# Altium PCB 2.PcbDoc (part 2 of 2)
Units mm, origin at the board's own origin, x right, y up, seen from the top; angles counter-clockwise.
Board outline 160.63 x 75.01 mm, 2 copper layers (Top Layer, Bottom Layer); 160 components, 151 nets, 572 pads, 120 vias.
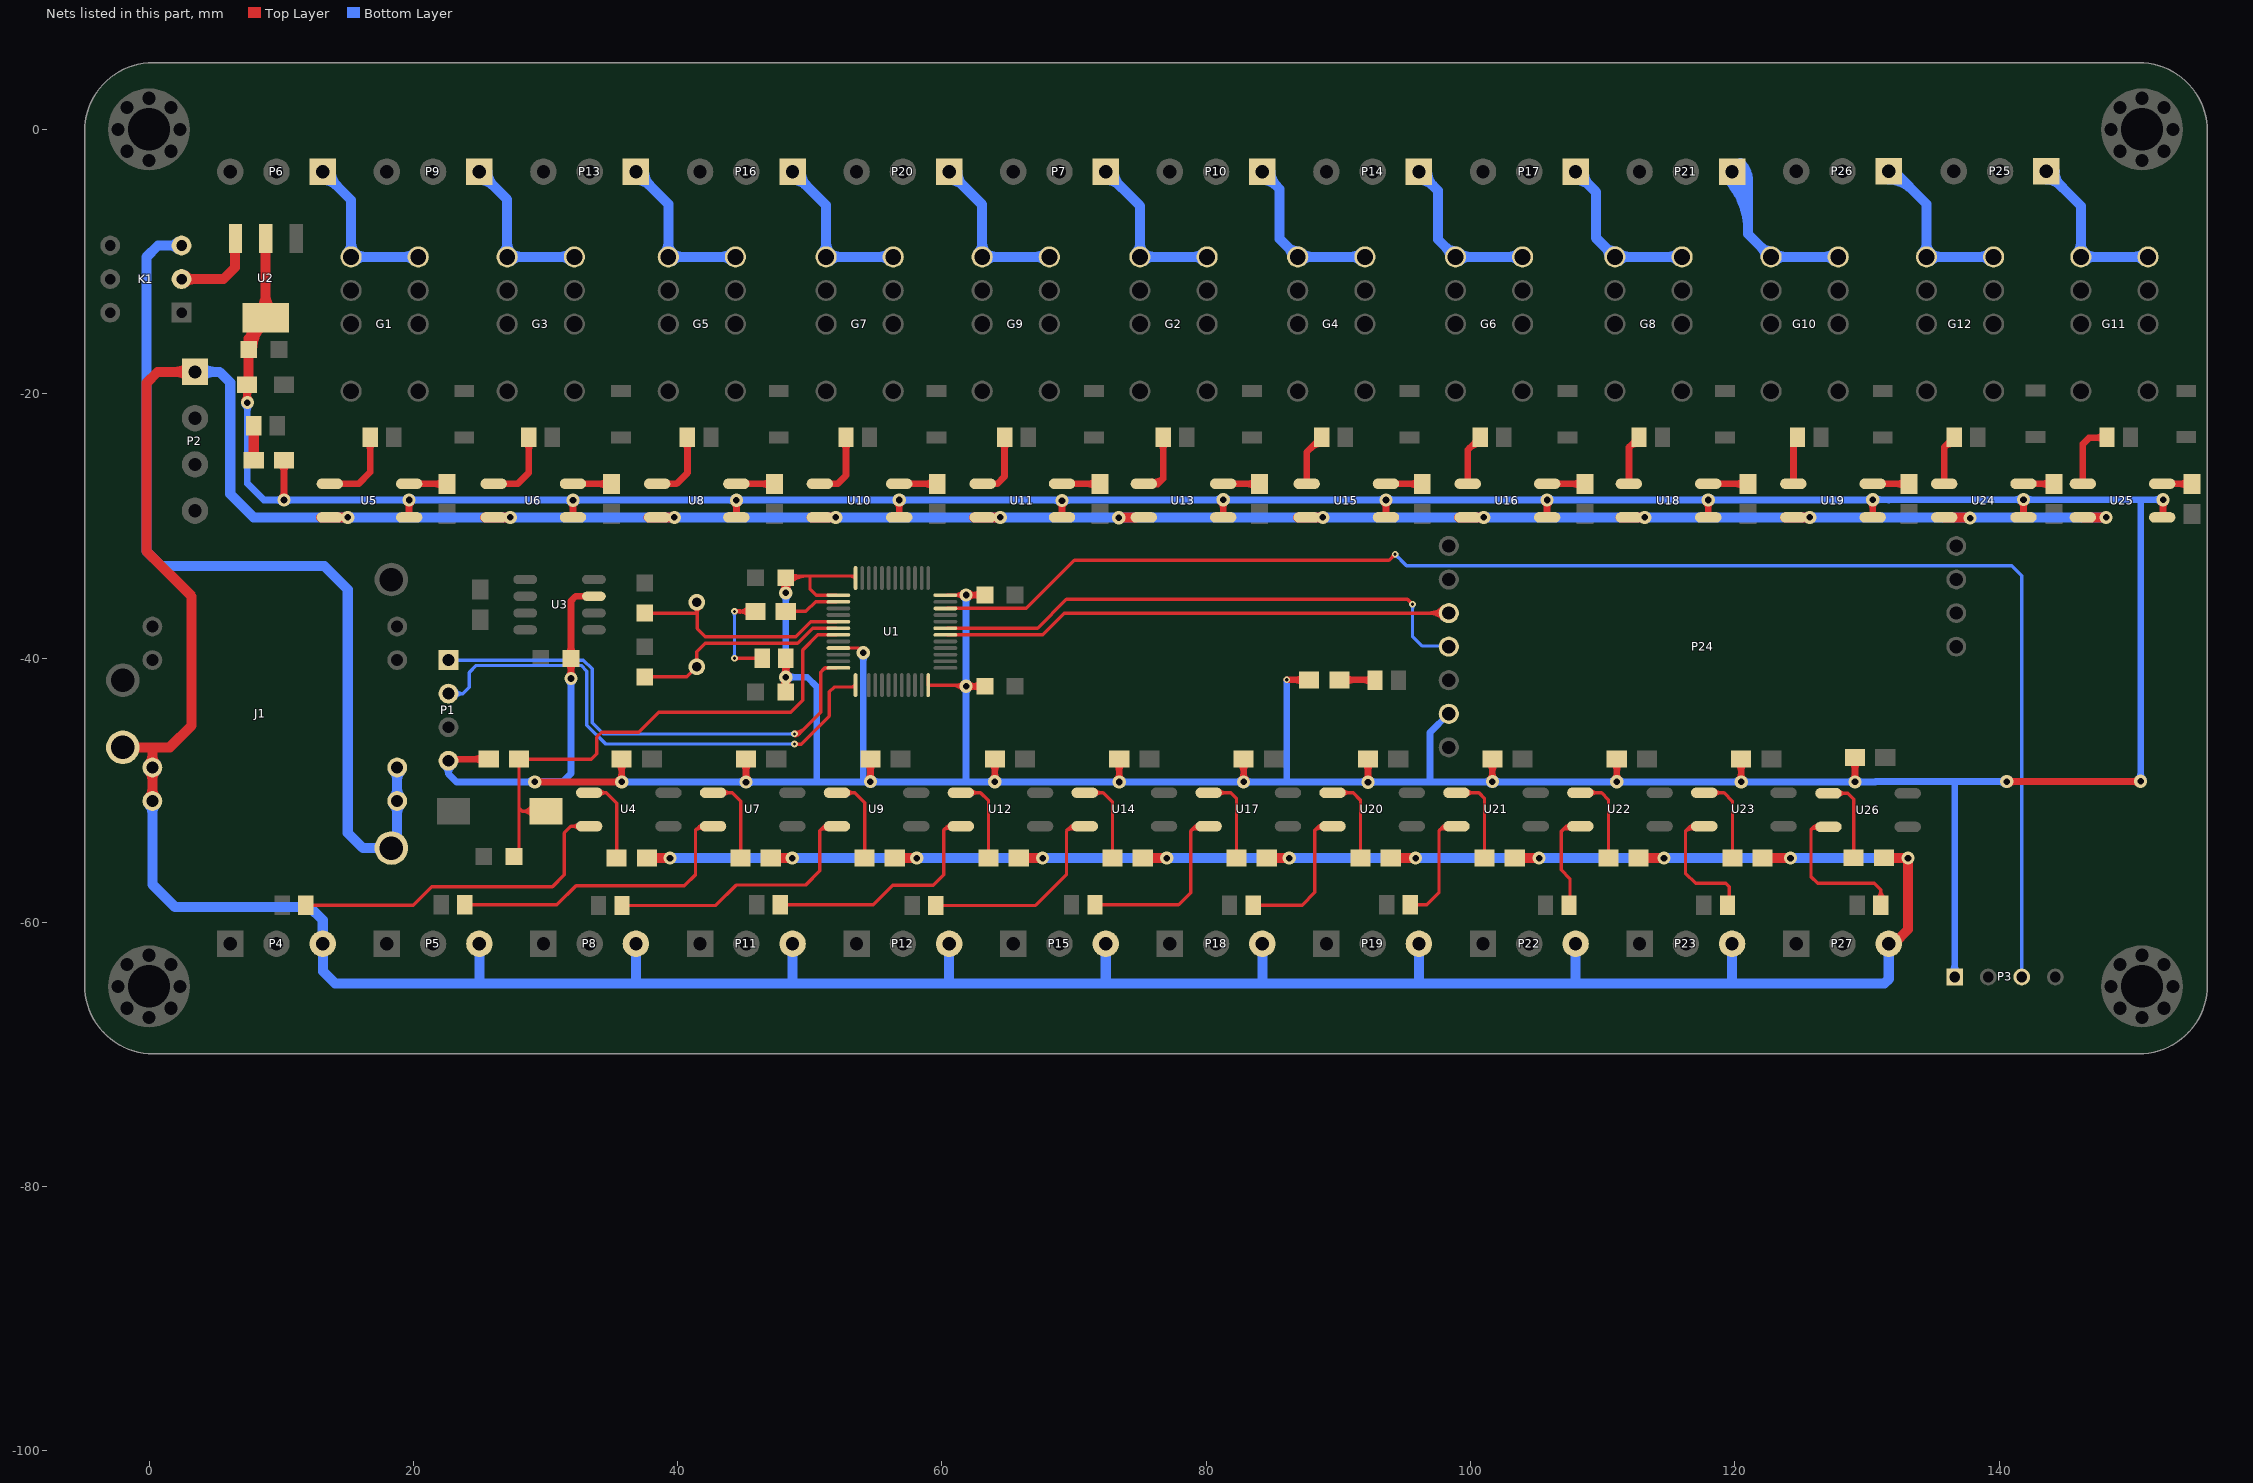
[diagram p2: the nets of this part, all layers, seen from the top]

## Via types
v1: diameter 1, hole 0.5, Top Layer to Bottom Layer, 93 vias
v2: diameter 0.5, hole 0.25, Top Layer to Bottom Layer, 26 vias
v3: diameter 1.27, hole 0.711, Top Layer to Bottom Layer, 1 vias

## Nets (pads, with @x,y where several pads share a name; then routed paths per layer and width w, separated by ;. In a path a pad name is that pad's centre, name@x,y a point inside that pad or via, vN(x,y) a via of type N, cw(c..) or ccw(c..) an arc to the next point about the centre after c; other vN are vias at no path point) (continued)
JTMS: P3.3 U1.34 | length 115
  Top Layer w0.254: U1.34@60.41,-36.248 66.389,-36.248 70.023,-32.614 93.828,-32.614 v2(94.285,-32.156) ; v2@94.162,-32.156 cw(c93.865,-32.156) 94.075,-32.366 cw(c94.285,-32.576) v2@94.285,-32.279
  Bottom Layer w0.254: v2@94.285,-32.279 cw(c94.285,-32.576) 94.495,-32.366 cw(c94.705,-32.156) v2@94.408,-32.156 ; v2(94.285,-32.156) 95.148,-33.02 133.224,-33.02 133.236,-33.032 140.957,-33.032 141.707,-33.782 P3.3@141.707,-64.135
LED1: R2.1 U1.2 | length 4.1
  Top Layer w0.254: R2.1@48.184,-36.474 49.708,-36.474 50.434,-35.748 U1.2@52.01,-35.748
NetC6_1: C6.1 U1.5 Y1.1 | length 18.1
  Top Layer w0.254: C6.1@37.516,-36.601 41.478,-36.601 ; Y1.1@41.249,-36.251 cw(c41.095,-36.602) 41.478,-36.602 ; Y1.1@41.453,-35.785 41.478,-35.811 41.478,-36.601 ; Y1.1@41.698,-36.23 ccw(c41.902,-36.602) 41.478,-36.602 ; U1.5@52.01,-37.248 50.077,-37.248 48.946,-38.379 42.088,-38.379 41.478,-37.77 41.478,-36.601
NetC9_1: C9.1 U1.6 Y1.2 | length 17.5
  Top Layer w0.254: C9.1@37.516,-41.427 40.691,-41.427 Y1.2@41.453,-40.665 41.453,-39.522 42.088,-38.887 49.073,-38.887 49.124,-38.837 49.135,-38.837 50.223,-37.748 52.01,-37.748 51.99,-37.768 51.211,-37.768
NetD1_A: D1.A R1.2 | length 2.6
  Top Layer w0.762: R1.2@7.925,-25.044 D1.A@7.924,-22.428
NetD2_K: D2.K R2.2 | length 11.4
  Top Layer w0.254: v2(44.298,-40.03) D2.K@45.898,-40.03 ; v2(44.298,-36.474) R2.2@45.898,-36.474 ; v2@44.359,-36.581 cw(c44.617,-37.027) 44.75,-36.529 ; v2@44.359,-36.368 ccw(c44.617,-35.922) 44.75,-36.419 ; v2@44.385,-40.117 cw(c44.595,-40.327) 44.595,-40.03 cw(c44.595,-39.733) v2@44.385,-39.943 ; v2@44.385,-36.561 cw(c44.595,-36.771) 44.595,-36.474 cw(c44.595,-36.177) v2@44.385,-36.387 ; R2.2@45.412,-36.834 ccw(c44.544,-37.701) 44.544,-36.474 ccw(c44.544,-35.248) R2.2@45.412,-36.115
  Bottom Layer w0.254: v2@44.211,-39.943 ccw(c44.001,-39.733) 44.298,-39.733 ccw(c44.595,-39.733) v2@44.385,-39.943 ; v2@44.211,-36.561 cw(c44.001,-36.771) 44.298,-36.771 cw(c44.595,-36.771) v2@44.385,-36.561 ; v2(44.298,-40.03) v2(44.298,-36.474)
NetD3_A: D3.A U4.2 | length 26.4
  Top Layer w0.254: D3.A@12.243,-58.699 19.99,-58.699 21.387,-57.302 30.531,-57.302 31.42,-56.413 31.42,-53.238 31.928,-52.73 U4.2@33.304,-52.73 ; U4.2@32.511,-52.923 ccw(c32.045,-53.389) 32.045,-52.73 ccw(c32.045,-52.071) U4.2@32.511,-52.537
NetD6_A: D6.A U7.2 | length 24.8
  Top Layer w0.254: D6.A@23.902,-58.674 30.861,-58.674 32.309,-57.226 40.513,-57.226 41.351,-56.388 41.351,-53.035 ; 41.58,-52.806 cw(c41.863,-53.088) U7.2@42.069,-52.747 ; U7.2@41.83,-52.843 ccw(c41.656,-52.922) 41.656,-52.73 ; U7.2@41.83,-52.618 cw(c41.656,-52.539) 41.656,-52.73 ; U7.2@41.938,-52.964 ccw(c41.69,-53.374) 41.351,-53.035 ; U7.2@42.679,-52.73 41.656,-52.73 ; 41.351,-53.035 41.656,-52.73
NetD7_A: D7.A U9.2 | length 21.6
  Top Layer w0.254: D7.A@35.79,-58.725 42.901,-58.725 44.45,-57.175 49.682,-57.175 50.749,-56.109 50.749,-53.061 ; 50.994,-52.816 cw(c51.266,-53.089) U9.2@51.445,-52.747 ; U9.2@51.327,-52.972 ccw(c51.098,-53.41) 50.749,-53.061 ; U9.2@52.054,-52.73 51.079,-52.73 50.749,-53.061
NetD10_A: D10.A U12.2 | length 19.6
  Top Layer w0.254: D10.A@47.753,-58.674 54.788,-58.674 56.261,-57.201 59.334,-57.201 60.147,-56.388 60.147,-53.01 ; 60.366,-52.791 cw(c60.619,-53.044) U12.2@60.818,-52.746 ; U12.2@60.575,-52.831 ccw(c60.427,-52.89) 60.427,-52.73 ; U12.2@60.575,-52.63 cw(c60.427,-52.571) 60.427,-52.73 ; U12.2@60.677,-52.957 ccw(c60.444,-53.307) 60.147,-53.01 ; U12.2@61.429,-52.73 60.427,-52.73 ; 60.147,-53.01 60.427,-52.73
NetD13_A: D13.A U14.2 | length 17.4
  Top Layer w0.254: D13.A@59.539,-58.725 67.081,-58.725 69.418,-56.388 69.418,-53.086 ; 69.669,-52.835 cw(c69.993,-53.159) U14.2@70.195,-52.747 ; U14.2@69.957,-52.847 ccw(c69.774,-52.932) 69.774,-52.73 ; U14.2@69.957,-52.614 cw(c69.774,-52.528) 69.774,-52.73 ; U14.2@70.083,-52.975 ccw(c69.828,-53.496) 69.418,-53.086 ; U14.2@70.804,-52.73 69.774,-52.73 ; 69.418,-53.086 69.774,-52.73
NetD14_A: D14.A U17.2 | length 15.4
  Top Layer w0.254: D14.A@71.578,-58.674 77.902,-58.674 78.816,-57.76 78.816,-53.086 ; 79.069,-52.833 cw(c79.38,-53.143) U17.2@79.57,-52.748 ; U17.2@79.326,-52.834 ccw(c79.172,-52.897) 79.172,-52.73 ; U17.2@79.326,-52.627 cw(c79.172,-52.564) 79.172,-52.73 ; U17.2@79.46,-52.976 ccw(c79.215,-53.485) 78.816,-53.086 ; U17.2@80.179,-52.73 79.172,-52.73 ; 78.816,-53.086 79.172,-52.73
NetD17_A: D17.A U20.2 | length 12.9
  Top Layer w0.254: D17.A@83.542,-58.699 87.249,-58.699 88.214,-57.734 88.214,-53.035 ; 88.443,-52.807 cw(c88.731,-53.095) U20.2@88.944,-52.747 ; U20.2@88.708,-52.849 ccw(c88.519,-52.94) 88.519,-52.73 ; U20.2@88.708,-52.612 cw(c88.519,-52.521) 88.519,-52.73 ; U20.2@88.812,-52.964 ccw(c88.558,-53.379) 88.214,-53.035 ; U20.2@89.554,-52.73 88.519,-52.73 ; 88.214,-53.035 88.519,-52.73
NetD20_A: D20.A U21.2 | length 9.8
  Top Layer w0.254: D20.A@95.429,-58.674 96.672,-58.674 97.612,-57.734 97.612,-53.061 ; 97.856,-52.817 cw(c98.135,-53.097) U21.2@98.32,-52.747 ; U21.2@98.201,-52.972 ccw(c97.967,-53.415) 97.612,-53.061 ; U21.2@98.928,-52.73 97.942,-52.73 97.612,-53.061
NetD21_A: D21.A U22.2 | length 9.6
  Top Layer w0.254: 107.117,-52.852 cw(c107.482,-53.217) U22.2@107.695,-52.748 ; U22.2@107.465,-52.863 ccw(c107.239,-52.989) 107.239,-52.73 ; U22.2@107.465,-52.598 cw(c107.239,-52.472) 107.239,-52.73 ; U22.2@107.59,-52.979 ccw(c107.32,-53.573) 106.858,-53.111 ; D21.A@107.848,-58.699 107.518,-58.369 107.518,-56.693 106.858,-56.032 106.858,-53.111 ; U22.2@108.303,-52.73 107.239,-52.73 ; 106.858,-53.111 107.239,-52.73
NetD22_A: D22.A U23.2 | length 11.8
  Top Layer w0.254: 116.517,-52.85 cw(c116.868,-53.201) U23.2@117.07,-52.748 ; U23.2@116.834,-52.852 ccw(c116.637,-52.951) 116.637,-52.73 ; U23.2@116.834,-52.608 cw(c116.637,-52.51) 116.637,-52.73 ; U23.2@116.967,-52.98 ccw(c116.707,-53.563) 116.256,-53.111 ; U23.2@117.678,-52.73 116.637,-52.73 ; D22.A@119.786,-58.699 119.558,-58.471 119.558,-57.302 119.304,-57.048 117.018,-57.048 116.256,-56.286 116.256,-53.111 ; 116.256,-53.111 116.637,-52.73
NetD23_A: D23.A R4.2 | length 5.4
  Top Layer w0.508: R4.2@90.068,-41.656 92.734,-41.656 D23.A@92.76,-41.681 ; R4.2@90.465,-41.925 cw(c91.115,-42.576) 91.115,-41.656 cw(c91.115,-40.736) R4.2@90.465,-41.387 ; 91.911,-41.656 cw(c91.911,-42.53) D23.A@92.529,-41.912 ; 92.034,-41.656 ccw(c92.034,-40.956) D23.A@92.529,-41.451
NetD24_A: D24.A U5.3 | length 7.8
  Top Layer w0.508: U5.3@13.03,-26.822 15.85,-26.822 16.738,-25.934 D24.A@16.738,-23.419 ; D24.A@16.507,-23.677 cw(c15.951,-24.234) 16.738,-24.234 cw(c17.525,-24.234) D24.A@16.968,-23.677
NetD25_A: D25.A U6.3 | length 7.6
  Top Layer w0.508: U6.3@25.43,-26.822 27.889,-26.822 28.738,-25.974 D25.A@28.738,-23.292 ; D25.A@28.507,-23.677 cw(c27.951,-24.234) 28.738,-24.234 cw(c29.525,-24.234) D25.A@28.968,-23.677
NetD26_A: D26.A U8.3 | length 7.2
  Top Layer w0.508: U8.3@37.795,-26.822 39.903,-26.822 40.738,-25.988 D26.A@40.738,-23.292 ; D26.A@40.507,-23.677 cw(c39.951,-24.234) 40.738,-24.234 cw(c41.525,-24.234) D26.A@40.968,-23.677
NetD27_A: D27.A U10.3 | length 7
  Top Layer w0.508: U10.3@50.114,-26.822 52.095,-26.822 52.738,-26.18 D27.A@52.738,-23.292 ; D27.A@52.507,-23.677 cw(c51.951,-24.234) 52.738,-24.234 cw(c53.525,-24.234) D27.A@52.968,-23.677
NetD28_A: D28.A U11.3 | length 6.7
  Top Layer w0.508: U11.3@62.433,-26.822 64.186,-26.822 64.738,-26.27 D28.A@64.738,-23.292 ; D28.A@64.507,-23.677 cw(c63.951,-24.234) 64.738,-24.234 cw(c65.525,-24.234) D28.A@64.968,-23.677
NetD29_A: D29.A U13.3 | length 7.9
  Top Layer w0.508: U13.3@74.625,-26.822 74.651,-26.848 76.302,-26.848 76.738,-26.411 ; U13.3@75.9,-26.678 ccw(c76.06,-25.734) 76.738,-26.411 ; U13.3@75.978,-26.719 ccw(c76.289,-26.409) 76.289,-26.848 ; D29.A@76.508,-23.677 cw(c75.951,-24.234) 76.738,-24.234 cw(c77.525,-24.234) D29.A@76.969,-23.677 ; D29.A@76.738,-23.292 76.738,-26.411
NetD30_A: D30.A U15.3 | length 4.9
  Top Layer w0.508: U15.3@87.594,-26.822 87.594,-24.436 D30.A@88.738,-23.292 ; 87.917,-24.113 cw(c88.738,-24.934) D30.A@88.738,-23.773
NetD31_A: D31.A U16.3 | length 4.8
  Top Layer w0.508: U16.3@99.786,-26.822 99.786,-24.244 D31.A@100.738,-23.292 ; 99.917,-24.113 cw(c100.738,-24.934) D31.A@100.738,-23.773
NetD32_A: D32.A U18.3 | length 4.7
  Top Layer w0.508: U18.3@111.978,-26.822 111.978,-24.052 ; D32.A@112.718,-23.772 ccw(c112.658,-24.732) 111.978,-24.052 ; D32.A@112.738,-23.292 111.978,-24.052
NetD33_A: D33.A U19.3 | length 3.7
  Top Layer w0.508: U19.3@124.424,-26.822 124.424,-23.606 D33.A@124.738,-23.292
NetD34_A: D34.A U24.3 | length 4.7
  Top Layer w0.508: U24.3@135.834,-26.822 135.834,-24.058 ; D34.A@136.582,-23.772 ccw(c136.528,-24.753) 135.834,-24.058 ; D34.A@136.6,-23.292 135.834,-24.058
NetD37_A: D37.A U25.3 | length 6.3
  Top Layer w0.508: U25.3@146.324,-26.822 146.324,-23.805 146.787,-23.343 148.106,-23.343 D37.A@148.157,-23.292 ; 147.248,-23.343 ccw(c147.248,-22.382) D37.A@147.927,-23.061 ; 147.493,-23.343 cw(c147.493,-23.956) D37.A@147.927,-23.522
NetD38_A: D38.A U26.2 | length 15.2
  Top Layer w0.254: 125.939,-52.801 cw(c126.204,-53.066) U26.2@126.463,-52.795 ; U26.2@126.251,-52.935 ccw(c125.959,-53.135) 125.959,-52.781 ; U26.2@126.251,-52.627 cw(c125.959,-52.427) 125.959,-52.781 ; U26.2@126.287,-52.978 ccw(c126.024,-53.253) 125.755,-52.984 ; U26.2@127.076,-52.781 125.959,-52.781 ; D38.A@130.738,-58.207 ccw(c130.135,-57.532) 131.04,-57.532 ; D38.A@131.04,-58.699 131.04,-57.532 ; D38.A@131.341,-58.207 cw(c131.944,-57.532) 131.04,-57.532 ; 125.755,-52.984 125.959,-52.781 ; 125.755,-52.984 125.755,-56.54 126.263,-57.048 130.556,-57.048 131.04,-57.532
NetK1_2: K1.2 U2.3 | length 8.4
  Top Layer w0.762: K1.2@2.464,-11.328 5.639,-11.328 6.514,-10.453 U2.3@6.514,-7.826 ; K1.2@2.725,-11.589 cw(c3.355,-12.219) 3.355,-11.328 cw(c3.355,-10.438) K1.2@2.725,-11.067
NetR5_2: R5.2 U24.2 | length 3.8
  Top Layer w0.508: U24.2@141.834,-26.822 R5.2@144.145,-26.822 ; R5.2@143.876,-27.092 ccw(c143.225,-27.742) 143.225,-26.822 ccw(c143.225,-25.903) R5.2@143.876,-26.553
NetR7_1: R7.1 U4.1 | length 7.6
  Top Layer w0.254: U4.1@33.304,-50.19 34.595,-50.19 35.382,-50.978 R7.1@35.382,-55.143 ; U4.1@34.097,-50.383 cw(c34.563,-50.849) 34.563,-50.19 cw(c34.563,-49.531) U4.1@34.097,-49.997
NetR9_2: R9.2 U5.2 | length 4.3
  Top Layer w0.508: U5.2@19.68,-26.822 R9.2@22.555,-26.822 ; R9.2@22.286,-27.092 ccw(c21.635,-27.742) 21.635,-26.822 ccw(c21.635,-25.903) R9.2@22.286,-26.553
NetR10_1: R10.1 U7.1 | length 7.7
  Top Layer w0.254: U7.1@42.679,-50.19 44.12,-50.19 44.763,-50.834 R10.1@44.763,-55.143 ; U7.1@43.472,-50.383 cw(c43.938,-50.849) 43.938,-50.19 cw(c43.938,-49.531) U7.1@43.472,-49.997
NetR11_2: R11.2 U6.2 | length 4.4
  Top Layer w0.508: U6.2@32.08,-26.822 R11.2@35.001,-26.822 ; R11.2@34.732,-27.092 ccw(c34.081,-27.742) 34.081,-26.822 ccw(c34.081,-25.903) R11.2@34.732,-26.553
NetR13_2: R13.2 U8.2 | length 4.3
  Top Layer w0.508: U8.2@44.445,-26.822 R13.2@47.32,-26.822 ; R13.2@47.051,-27.092 ccw(c46.4,-27.742) 46.4,-26.822 ccw(c46.4,-25.903) R13.2@47.051,-26.553
NetR14_1: R14.1 U9.1 | length 7.6
  Top Layer w0.254: U9.1@52.054,-50.19 53.391,-50.19 54.144,-50.944 R14.1@54.144,-55.143 ; U9.1@52.847,-50.383 cw(c53.313,-50.849) 53.313,-50.19 cw(c53.313,-49.531) U9.1@52.847,-49.997
NetR16_2: R16.2 U10.2 | length 4.3
  Top Layer w0.508: U10.2@56.764,-26.822 R16.2@59.639,-26.822 ; R16.2@59.37,-27.092 ccw(c58.719,-27.742) 58.719,-26.822 ccw(c58.719,-25.903) R16.2@59.37,-26.553
NetR17_1: R17.1 U12.1 | length 7.7
  Top Layer w0.254: U12.1@61.429,-50.19 62.916,-50.19 63.525,-50.8 R17.1@63.525,-55.143 ; U12.1@62.222,-50.383 cw(c62.688,-50.849) 62.688,-50.19 cw(c62.688,-49.531) U12.1@62.222,-49.997
NetR19_2: R19.2 U11.2 | length 4.3
  Top Layer w0.508: U11.2@69.083,-26.822 R19.2@71.958,-26.822 ; R19.2@71.689,-27.092 ccw(c71.038,-27.742) 71.038,-26.822 ccw(c71.038,-25.903) R19.2@71.689,-26.553
NetR20_2: R20.2 U13.2 | length 4.2
  Top Layer w0.508: U13.2@81.275,-26.822 R20.2@84.023,-26.822 ; R20.2@83.754,-27.092 ccw(c83.103,-27.742) 83.103,-26.822 ccw(c83.103,-25.903) R20.2@83.754,-26.553
NetR21_1: R21.1 U14.1 | length 7.7
  Top Layer w0.254: U14.1@70.804,-50.19 72.187,-50.19 72.906,-50.91 R21.1@72.906,-55.143 ; U14.1@71.597,-50.383 cw(c72.063,-50.849) 72.063,-50.19 cw(c72.063,-49.531) U14.1@71.597,-49.997
NetR23_2: R23.2 U15.2 | length 4.2
  Top Layer w0.508: U15.2@93.594,-26.822 R23.2@96.342,-26.822 ; R23.2@96.073,-27.092 ccw(c95.422,-27.742) 95.422,-26.822 ccw(c95.422,-25.903) R23.2@96.073,-26.553
NetR24_1: R24.1 U17.1 | length 7.8
  Top Layer w0.254: U17.1@80.179,-50.19 81.839,-50.19 82.288,-50.639 R24.1@82.288,-55.143 ; U17.1@80.972,-50.383 cw(c81.438,-50.849) 81.438,-50.19 cw(c81.438,-49.531) U17.1@80.972,-49.997
NetR25_2: R25.2 U16.2 | length 4.3
  Top Layer w0.508: U16.2@105.786,-26.822 R25.2@108.661,-26.822 ; R25.2@108.392,-27.092 ccw(c107.741,-27.742) 107.741,-26.822 ccw(c107.741,-25.903) R25.2@108.392,-26.553
NetR27_2: R27.2 U18.2 | length 4.4
  Top Layer w0.508: U18.2@117.978,-26.822 R27.2@120.98,-26.822 ; R27.2@120.711,-27.092 ccw(c120.06,-27.742) 120.06,-26.822 ccw(c120.06,-25.903) R27.2@120.711,-26.553
NetR28_1: R28.1 U20.1 | length 7.8
  Top Layer w0.254: U20.1@89.554,-50.19 91.11,-50.19 91.669,-50.749 R28.1@91.669,-55.143 ; U20.1@90.347,-50.383 cw(c90.813,-50.849) 90.813,-50.19 cw(c90.813,-49.531) U20.1@90.347,-49.997
NetR29_2: R29.2 U19.2 | length 4.2
  Top Layer w0.508: U19.2@130.424,-26.822 R29.2@133.172,-26.822 ; R29.2@132.903,-27.092 ccw(c132.252,-27.742) 132.252,-26.822 ccw(c132.252,-25.903) R29.2@132.903,-26.553
NetR31_1: R31.1 U21.1 | length 7.9
  Top Layer w0.254: U21.1@98.928,-50.19 100.635,-50.19 101.05,-50.605 R31.1@101.05,-55.143 ; U21.1@99.721,-50.383 cw(c100.187,-50.849) 100.187,-50.19 cw(c100.187,-49.531) U21.1@99.721,-49.997
NetR33_1: R33.1 U22.1 | length 7.8
  Top Layer w0.254: U22.1@108.303,-50.19 109.906,-50.19 110.431,-50.715 R33.1@110.431,-55.143 ; U22.1@109.096,-50.383 cw(c109.562,-50.849) 109.562,-50.19 cw(c109.562,-49.531) U22.1@109.096,-49.997
NetR35_1: R35.1 U23.1 | length 7.7
  Top Layer w0.254: U23.1@117.678,-50.19 119.177,-50.19 119.812,-50.825 R35.1@119.812,-55.143 ; U23.1@118.471,-50.383 cw(c118.937,-50.849) 118.937,-50.19 cw(c118.937,-49.531) U23.1@118.471,-49.997
NetR37_2: R37.2 U25.2 | length 3.7
  Top Layer w0.508: U25.2@152.324,-26.822 R37.2@154.584,-26.822 ; R37.2@154.315,-27.092 ccw(c153.665,-27.742) 153.665,-26.822 ccw(c153.665,-25.903) R37.2@154.315,-26.553
NetR38_1: R38.1 U26.1 | length 7.5
  Top Layer w0.254: U26.1@127.076,-50.241 128.524,-50.241 128.981,-50.698 R38.1@128.981,-55.118 ; U26.1@127.869,-50.434 cw(c128.335,-50.9) 128.335,-50.241 cw(c128.335,-49.582) U26.1@127.869,-50.048
NRST: C10.1 R6.1 RESET.1 U1.7 | length 43.7
  Top Layer w0.254: C10.1@27.61,-55.016 27.991,-54.635 27.991,-51.333 ; RESET.1@29.021,-52.031 ccw(c28.245,-52.488) 28.245,-51.587 ; RESET.1@29.021,-51.144 cw(c28.245,-50.687) 28.245,-51.587 ; RESET.1@29.24,-51.902 ccw(c28.689,-52.226) 28.689,-51.587 ccw(c28.689,-50.949) RESET.1@29.24,-51.273 ; RESET.1@30.023,-51.587 28.245,-51.587 ; U1.7@52.01,-38.248 50.601,-38.248 49.454,-39.395 49.454,-43.205 48.565,-44.094 38.583,-44.094 37.059,-45.618 34.239,-45.618 33.884,-45.974 33.884,-47.244 33.477,-47.65 R6.1@27.991,-47.65 27.991,-51.333 ; 27.991,-51.333 28.245,-51.587
OPEN_0: G1.5 G1.8 P6.1 | length 19.5
  Bottom Layer w0.762: P6.1@13.147,-3.819 cw(c13.147,-5.314) 14.204,-4.257 cw(c15.26,-3.2) P6.1@13.766,-3.2 ; P6.1@13.147,-3.2 15.291,-5.344 G1.5@15.291,-9.652 G1.8@20.371,-9.652 ; G1.5@14.995,-9.356 ccw(c14.279,-8.64) 15.291,-8.64 ccw(c16.302,-8.64) 15.587,-9.356 ccw(c16.302,-8.64) 16.302,-9.652 ccw(c16.302,-10.664) G1.5@15.587,-9.948 ; G1.8@20.075,-9.948 ccw(c19.359,-10.664) 19.359,-9.652 ccw(c19.359,-8.64) G1.8@20.075,-9.356
OPEN_1: G3.5 G3.8 P9.1 | length 19.5
  Bottom Layer w0.762: P9.1@24.996,-3.819 cw(c24.996,-5.314) 26.053,-4.257 cw(c27.109,-3.2) P9.1@25.615,-3.2 ; P9.1@24.996,-3.2 27.102,-5.306 G3.5@27.102,-9.652 G3.8@32.182,-9.652 ; G3.5@26.806,-9.356 ccw(c26.09,-8.64) 27.102,-8.64 ccw(c28.113,-8.64) 27.398,-9.356 ccw(c28.113,-8.64) 28.113,-9.652 ccw(c28.113,-10.664) G3.5@27.398,-9.948 ; G3.8@31.886,-9.948 ccw(c31.17,-10.664) 31.17,-9.652 ccw(c31.17,-8.64) G3.8@31.886,-9.356
OPEN_2: G5.5 G5.8 P13.1 | length 19.7
  Bottom Layer w0.762: P13.1@36.845,-3.819 cw(c36.845,-5.314) 37.902,-4.257 cw(c38.958,-3.2) P13.1@37.464,-3.2 ; P13.1@36.845,-3.2 39.294,-5.649 G5.5@39.294,-9.652 G5.8@44.374,-9.652 ; G5.5@38.998,-9.356 ccw(c38.282,-8.64) 39.294,-8.64 ccw(c40.305,-8.64) 39.59,-9.356 ccw(c40.305,-8.64) 40.305,-9.652 ccw(c40.305,-10.664) G5.5@39.59,-9.948 ; G5.8@44.078,-9.948 ccw(c43.362,-10.664) 43.362,-9.652 ccw(c43.362,-8.64) G5.8@44.078,-9.356
OPEN_3: G7.5 G7.8 P16.1 | length 19.7
  Bottom Layer w0.762: P16.1@48.694,-3.819 cw(c48.694,-5.314) 49.751,-4.257 cw(c50.808,-3.2) P16.1@49.313,-3.2 ; P16.1@48.694,-3.2 51.232,-5.738 G7.5@51.232,-9.652 G7.8@56.312,-9.652 ; G7.5@50.936,-9.356 ccw(c50.22,-8.64) 51.232,-8.64 ccw(c52.243,-8.64) 51.528,-9.356 ccw(c52.243,-8.64) 52.243,-9.652 ccw(c52.243,-10.664) G7.5@51.528,-9.948 ; G7.8@56.016,-9.948 ccw(c55.3,-10.664) 55.3,-9.652 ccw(c55.3,-8.64) G7.8@56.016,-9.356
OPEN_4: G9.5 G9.8 P20.1 | length 19.7
  Bottom Layer w0.762: P20.1@60.543,-3.819 cw(c60.543,-5.314) 61.6,-4.257 cw(c62.657,-3.2) P20.1@61.162,-3.2 ; P20.1@60.543,-3.2 63.043,-5.7 G9.5@63.043,-9.652 G9.8@68.123,-9.652 ; G9.5@62.747,-9.356 ccw(c62.031,-8.64) 63.043,-8.64 ccw(c64.054,-8.64) 63.339,-9.356 ccw(c64.054,-8.64) 64.054,-9.652 ccw(c64.054,-10.664) G9.5@63.339,-9.948 ; G9.8@67.827,-9.948 ccw(c67.111,-10.664) 67.111,-9.652 ccw(c67.111,-8.64) G9.8@67.827,-9.356
OPEN_5: G2.5 G2.8 P7.1 | length 19.7
  Bottom Layer w0.762: P7.1@72.392,-3.819 cw(c72.392,-5.314) 73.449,-4.257 cw(c74.506,-3.2) P7.1@73.011,-3.2 ; P7.1@72.392,-3.2 74.981,-5.789 G2.5@74.981,-9.652 G2.8@80.061,-9.652 ; G2.5@74.685,-9.356 ccw(c73.969,-8.64) 74.981,-8.64 ccw(c75.992,-8.64) 75.277,-9.356 ccw(c75.992,-8.64) 75.992,-9.652 ccw(c75.992,-10.664) G2.5@75.277,-9.948 ; G2.8@79.765,-9.948 ccw(c79.049,-10.664) 79.049,-9.652 ccw(c79.049,-8.64) G2.8@79.765,-9.356
OPEN_6: G4.5 G4.8 P10.1 | length 19.8
  Bottom Layer w0.762: P10.1@84.241,-3.819 cw(c84.241,-5.314) 85.298,-4.257 cw(c86.355,-3.2) P10.1@84.86,-3.2 ; P10.1@84.241,-3.2 85.547,-4.506 85.547,-8.28 G4.5@86.919,-9.652 G4.8@91.999,-9.652 ; G4.5@86.5,-9.652 ccw(c85.488,-9.652) 86.204,-8.937 ccw(c86.919,-8.221) G4.5@86.919,-9.233 ; G4.5@87.215,-9.948 cw(c87.93,-10.664) 87.93,-9.652 cw(c87.93,-8.64) G4.5@87.215,-9.356 ; G4.8@91.703,-9.948 ccw(c90.987,-10.664) 90.987,-9.652 ccw(c90.987,-8.64) G4.8@91.703,-9.356
OPEN_7: G6.5 G6.8 P14.1 | length 19.8
  Bottom Layer w0.762: P14.1@96.091,-3.819 cw(c96.091,-5.314) 97.147,-4.257 cw(c98.204,-3.2) P14.1@96.71,-3.2 ; P14.1@96.091,-3.2 97.536,-4.646 97.536,-8.331 G6.5@98.857,-9.652 G6.8@103.937,-9.652 ; G6.5@98.438,-9.652 ccw(c97.426,-9.652) 98.142,-8.937 ccw(c98.857,-8.221) G6.5@98.857,-9.233 ; G6.5@99.153,-9.948 cw(c99.868,-10.664) 99.868,-9.652 cw(c99.868,-8.64) G6.5@99.153,-9.356 ; G6.8@103.641,-9.948 ccw(c102.925,-10.664) 102.925,-9.652 ccw(c102.925,-8.64) G6.8@103.641,-9.356
OPEN_8: G8.5 G8.8 P17.1 | length 19.9
  Bottom Layer w0.762: P17.1@107.94,-3.819 cw(c107.94,-5.339) 109.014,-4.264 ; P17.1@107.94,-3.2 107.95,-3.2 109.474,-4.724 109.474,-8.204 G8.5@110.922,-9.652 G8.8@116.002,-9.652 ; P17.1@108.559,-3.2 ccw(c110.028,-3.2) 108.989,-4.239 ; G8.5@110.503,-9.652 ccw(c109.491,-9.652) 110.207,-8.937 ccw(c110.922,-8.221) G8.5@110.922,-9.233 ; G8.5@111.218,-9.948 cw(c111.933,-10.664) 111.933,-9.652 cw(c111.933,-8.64) G8.5@111.218,-9.356 ; G8.8@115.706,-9.948 ccw(c114.99,-10.664) 114.99,-9.652 ccw(c114.99,-8.64) G8.8@115.706,-9.356